# Altium PCB OAI_KPA_Power_Module.PcbDoc (part 1 of 3) (continued)
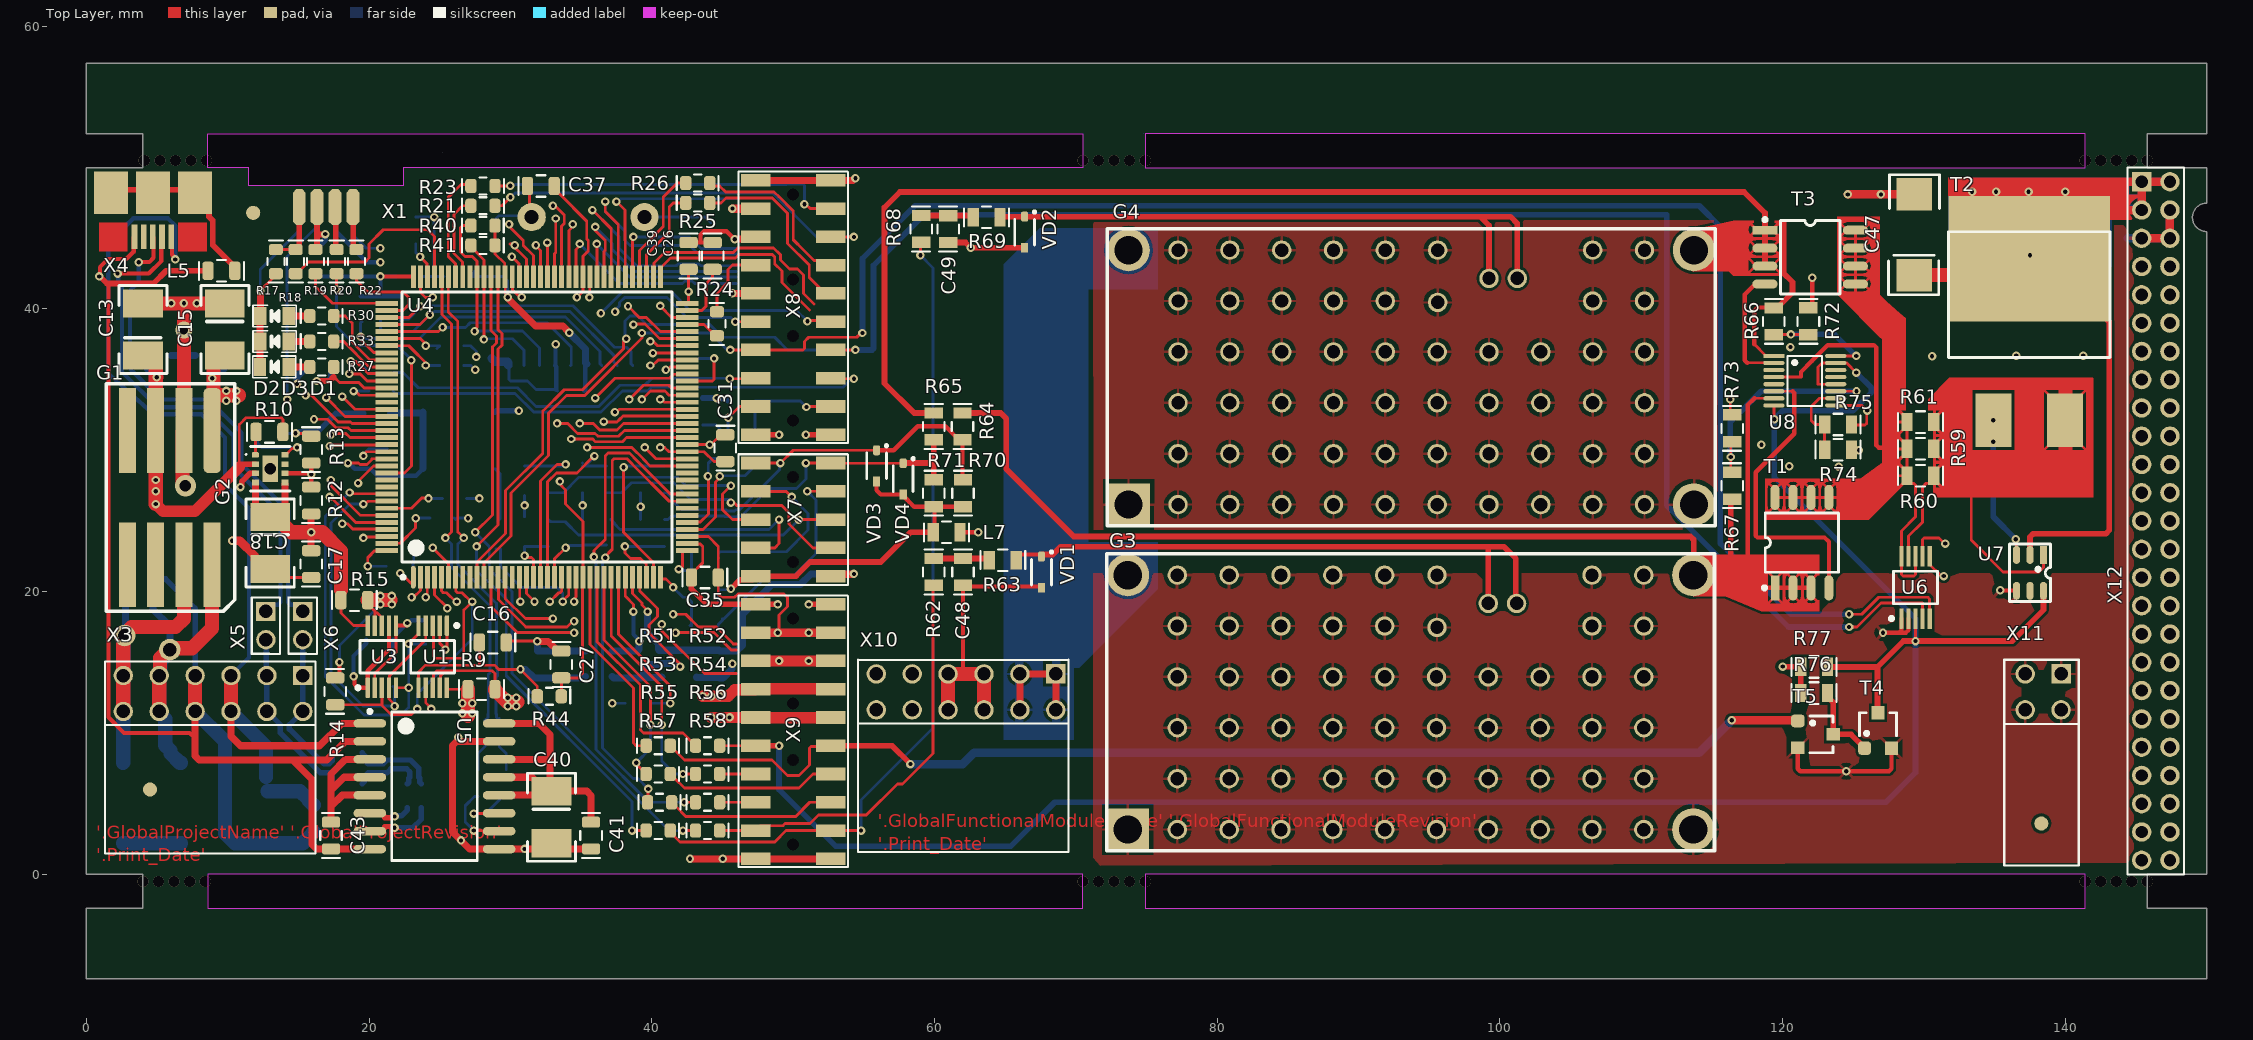
[diagram p0: Top Layer view]
## Components (designator, comment, footprint, x,y, rotation, side; value= is the part's Value field where it differs from the comment) (continued)
R22 "100" SMD_0603#1 19.1,44.2 r270 top value=1к
R23 "1к" SMD_0603#1 28.9,48.7 r180 top
R24 "1к" SMD_0603#1 44.6,38.1 r90 top
R25 "1к" SMD_0603#1 42.4,47.5 r0 top
R26 "1к" SMD_0603#1 42.4,48.9 r0 top
R27 "13к" SMD_0603#1 15.8,35.9 r0 top value=1к
R28 "1к" SMD_0603#1 25,37.4 r0 bottom
R29 "1к" SMD_0603#1 25,36 r0 bottom
R30 "13к" SMD_0603#1 15.8,39.5 r0 top value=1к
R31 "1к" SMD_0603#1 20,35.5 r0 bottom
R32 "1к" SMD_0603#1 20,34.2 r0 bottom
R33 "13к" SMD_0603#1 15.8,37.7 r0 top value=1к
R34 "10к" SMD_0603#2 21.7,13.3 r90 bottom value=1к
R35 "10к" SMD_0603#2 24,16.3 r90 bottom value=1к
R36 "27" SMD_0603#1 29.3,23.3 r90 bottom value=1к
R37 "10к" SMD_0603#1 22.2,39.2 r90 bottom value=1к
R38 "10к" SMD_0603#1 20.8,39.2 r90 bottom value=1к
R39 "10к" SMD_0603#1 19.4,39.2 r90 bottom value=1к
R40 "10к" SMD_0603#1 27.2,45.9 r0 top value=1к
R41 "10к" SMD_0603#1 27.2,44.5 r0 top value=1к
R42 "1к" SMD_0603#1 25.2,26.6 r0 bottom
R43 "10к" SMD_0603#1 24.3,25.2 r0 bottom value=1к
R44 "10к" SMD_0603#1 31.9,12.6 r0 top value=1к
R45 "27" SMD_0805#1 17.6,6.4 r0 bottom value=1к
R46 "27" SMD_0805#1 17.6,8.6 r0 bottom value=1к
R47 "27" SMD_0805#1 27.7,7.4 r270 bottom value=1к
R48 "27" SMD_0805#1 29.7,7.4 r270 bottom value=1к
R49 "1к" SMD_0603#1 47.3,29.415 r90 bottom
R50 "1к" SMD_0603#1 45.3,29.415 r90 bottom
R51 "1к" SMD_0603#1 39.6,9.1 r0 top
R52 "1к" SMD_0603#1 43.096,9.1 r0 top
R53 "1к" SMD_0603#1 39.6,7.1 r0 top
R54 "1к" SMD_0603#1 43.096,7.1 r0 top
R55 "1к" SMD_0603#1 39.7,5.1 r0 top
R56 "1к" SMD_0603#1 43.096,5.1 r0 top
R57 "1к" SMD_0603#1 39.6,3.1 r0 top
R58 "1к" SMD_0603#1 43.096,3.1 r0 top
R59 "0.1" SMD_0805#2 130.7,30.1 r180 top value=1к
R60 "0.1" SMD_0805#2 130.7,28.2 r180 top value=1к
R61 "0.1" SMD_0805#2 130.7,32 r180 top value=1к
R62 "10k" SMD_0805#2 59.944,22.347 r270 top value=1к
R63 "10k" SMD_0805#2 65.781,22.225 r180 top value=1к
R64 "??" SMD_0805#2 61.976,30.739 r90 top value=1к
R65 "??" SMD_0805#2 59.944,30.739 r90 top value=1к
R66 "??" SMD_0805#2 119.375,38.17 r90 top value=1к
R67 "??" SMD_0805#2 116.432,28.448 r270 top value=1к
R68 "10k" SMD_0805#2 59.055,46.609 r270 top value=1к
R69 "10k" SMD_0805#2 64.638,46.482 r180 top value=1к
R70 "10k" SMD_0805#2 62.012,26.011 r90 top value=1к
R71 "10k" SMD_0805#2 59.944,26.011 r90 top value=1к
R72 "10k" SMD_0805#2 121.825,40.075 r270 top value=1к
R73 "10k" SMD_0805#2 116.432,32.507 r270 top value=1к
R74 "NU" SMD_0805#2 122.97,30.05 r0 top value=1к
R75 "NU" SMD_0805#2 124.875,31.825 r180 top value=1к
R76 "10k" SMD_0805#2 123.175,12.827 r180 top value=1к
R77 "10k" SMD_0805#2 123.175,14.675 r180 top value=1к
T1 "FDS3672" "SO-8 Transistor" 119.463,20.27 r90 top
T2 "IRF5210S" D2Pak 134.904,32.131 r0 top
T3 "FDS3672" "SO-8 Transistor" 118.75,45.57 r0 top
T4 "PDTZ143ZT" SOT-23 125.796,8.93 r90 top
T5 "PDTZ143ZT" SOT-23 121.071,10.856 r0 top
U1 "INA261" VSSOP-10 25.5,17.6 r270 top
U2 "ADR390" TSOT-5 40.7,13.955 r0 bottom
U3 "INA261" VSSOP-10 19.9,13.2 r90 top
U4 "STM32F405ZGT7" LQFP144 23.112,20.982 r270 top
U5 "ADuM1402" SOIC-16-WIDE 20.05,10.685 r0 top
U6 "INA226" VSSOP-10 128.4,18.1 r90 top
U7 "MAX5902" SOT23-6 138.452,22.6 r180 top
U8 "LTC4355" MSOP16 119.38,36.679 r0 top
VD1 "PESD3V3" SOD-323 67.564,22.479 r180 top
VD2 "PESD3V3" SOD-323 66.375,46.532 r180 top
VD3 "PESD3V3" SOD-323 55.9,30 r180 top
VD4 "PESD3V3" SOD-323 57.785,29.083 r180 top
X1 "EDGE_CONN 2x4" EDGE_CON-8 11.5,50 r0 top
X2 "SD-card" "SD-card holder" 36.43,46.5 r0 bottom
X3 "Header 2X6" "PLD2-12R 2.54" 15.31,14.065 r270 top
X4 "mico-BF" "USB Micro-BF smd" 4.7,45.1 r180 top
X5 "Header 2X1" PLD2-2 12.7,18.6 r270 top
X6 "Header 2X1" PLD2-2 15.3,18.6 r270 top
X7 "Header 2X10" PBD2-10s 52.649,29.1 r0 top
X8 "Header 2X10" PBD2-20S 52.65,49.1 r0 top
X9 "Header 2X10" PBD2-20S 52.65,19.1 r0 top
X10 "Header 2X6" "PLD2-12R 2.54" 68.58,14.18 r270 top
X11 "Header 2X4" "PLD2-4 R 2.54" 139.7,14.18 r270 top
X12 "Header 2X25" PLD2-50 145.4,49 r0 top

## Footprints (in the part's own frame and the unit in brackets; to place one, negate y for a bottom-side part, rotate by r counter-clockwise, add the part's x,y. Pads: shape width x height; smd on the part's side, far side on the other; paste and mask are expansions set on the pad)
ACM2012 [mm]
  rrect50% 0.9x0.6 smd: 1(0,0)
  rect 0.9x0.6 smd: 2(1.7,0) 3(1.7,-1) 4(0,-1)
  body extent -0.2,-1.1 1.8,0.1, height 1.29
D2Pak [mm]
  rect 2.54x3.81 smd: 1(0,0) 3(5.08,0)
  rect 11.43x8.89 smd: 2(2.54,11.43)
  silkscreen extent -3.17,4.44 8.25,13.33, body extent -2.67,-0.09 7.73,15.58, height 4.5
EDGE_CON-8 [mil]
  oct 36x100 smd: A1(140,-110) A2(190,-110) A3(240,-110) A4(290,-110)
  oct 36x100 smd far side: B1(140,-110) B2(190,-110) B3(240,-110) B4(290,-110)
LED-0805 [mil]
  rect 35x50 smd: 1(0,0) 2(80,0)
  silkscreen extent -20,-30 100,30, body extent 1,-25 80,25, height 43
"LM2596 MODULE" [mm]
  round 3 / inner round 1.524 / far side round 1.524 hole 2: 1(0,0) 3(40,-18) 4(40,0)
  rect 3x3 / inner rect 1.524x1.524 / far side rect 1.524x1.524 hole 2: 2(0,-18)
  round 1.372 hole 0.95: 2(3.5,-18) 2(3.5,-14.4) 2(3.5,-10.8) 2(3.5,-7.2) 2(3.5,-3.6) 2(3.5,0) 2(7.167,-18) 2(7.167,-14.4) 2(7.167,-10.8) 2(7.167,-7.2) 2(7.167,-3.6) 2(7.167,0) 2(10.833,-18) 2(10.833,-14.4) 2(10.833,-10.8) 2(10.833,-7.2) 2(10.833,-3.6) 2(10.833,0) 2(14.5,-18) 2(14.5,-14.4) 2(14.5,-10.8) 2(14.5,-7.2) 2(14.5,-3.6) 2(14.5,0) 2(18.167,-18) 2(18.167,-14.4) 2(18.167,-10.8) 2(18.167,-7.2) 2(18.167,-3.6) 2(18.167,0) 2(21.833,-18) 2(21.833,-14.4) 2(21.833,-10.8) 2(21.833,-7.2) 2(21.867,-3.7) 2(21.867,0) 2(25.5,-18) 2(25.5,-14.4) 2(25.5,-10.8) 2(25.5,-7.2) 2(29.167,-18) 2(29.167,-14.4) 2(29.167,-10.8) 2(29.167,-7.2) 2(32.833,-18) 2(32.833,-14.4) 2(32.833,-10.8) 2(32.833,-7.2) 2(32.833,-3.6) 2(32.833,0) 2(36.5,-18) 2(36.5,-14.4) 2(36.5,-10.8) 2(36.5,-7.2) 2(36.5,-3.6) 2(36.5,0)
  round 1.372 / inner round 1.524 / far side round 1.524 hole 0.95: 5(25.5,-2) 5(27.5,-2)
  Top Layer pour cut-out: 30.5,2.8
  Bottom Layer pour cut-out: 26.7,4.8
  silkscreen extent -1.5,-19.5 41.5,1.5, body extent -1.75,-19.6 41.75,1.4, height 13.21
LQFP144 [mm] "Thin QFP, 144-Leads, Body 20x20mm, Pitch 0.5mm, ST Recommended"
  oval 1.6x0.35 smd: 1(-0.043,0.013)
  rect 1.6x0.35 smd: 2(-0.043,0.513) 3(-0.043,1.013) 4(-0.043,1.513) 5(-0.043,2.013) 6(-0.043,2.513) 7(-0.043,3.013) 8(-0.043,3.513) 9(-0.043,4.013) 10(-0.043,4.513) 11(-0.043,5.013) 12(-0.043,5.513) 13(-0.043,6.013) 14(-0.043,6.513) 15(-0.043,7.013) 16(-0.043,7.513) 17(-0.043,8.013) 18(-0.043,8.513) 19(-0.043,9.013) 20(-0.043,9.513) 21(-0.043,10.013) 22(-0.043,10.513) 23(-0.043,11.013) 24(-0.043,11.513) 25(-0.043,12.013) 26(-0.043,12.513) 27(-0.043,13.013) 28(-0.043,13.513) 29(-0.043,14.013) 30(-0.043,14.513) 31(-0.043,15.013) 32(-0.043,15.513) 33(-0.043,16.013) 34(-0.043,16.513) 35(-0.043,17.013) 36(-0.043,17.513) 73(-21.293,17.513) 74(-21.293,17.013) 75(-21.293,16.513) 76(-21.293,16.013) 77(-21.293,15.513) 78(-21.293,15.013) 79(-21.293,14.513) 80(-21.293,14.013) 81(-21.293,13.513) 82(-21.293,13.013) 83(-21.293,12.513) 84(-21.293,12.013) 85(-21.293,11.513) 86(-21.293,11.013) 87(-21.293,10.513) 88(-21.293,10.013) 89(-21.293,9.513) 90(-21.293,9.013) 91(-21.293,8.513) 92(-21.293,8.013) 93(-21.293,7.513) 94(-21.293,7.013) 95(-21.293,6.513) 96(-21.293,6.013) 97(-21.293,5.513) 98(-21.293,5.013) 99(-21.293,4.513) 100(-21.293,4.013) 101(-21.293,3.513) 102(-21.293,3.013) 103(-21.293,2.513) 104(-21.293,2.013) 105(-21.293,1.513) 106(-21.293,1.013) 107(-21.293,0.513) 108(-21.293,0.013)
  rect 0.35x1.6 smd: 37(-1.918,19.388) 38(-2.418,19.388) 39(-2.918,19.388) 40(-3.418,19.388) 41(-3.918,19.388) 42(-4.418,19.388) 43(-4.918,19.388) 44(-5.418,19.388) 45(-5.918,19.388) 46(-6.418,19.388) 47(-6.918,19.388) 48(-7.418,19.388) 49(-7.918,19.388) 50(-8.418,19.388) 51(-8.918,19.388) 52(-9.418,19.388) 53(-9.918,19.388) 54(-10.418,19.388) 55(-10.918,19.388) 56(-11.418,19.388) 57(-11.918,19.388) 58(-12.418,19.388) 59(-12.918,19.388) 60(-13.418,19.388) 61(-13.918,19.388) 62(-14.418,19.388) 63(-14.918,19.388) 64(-15.418,19.388) 65(-15.918,19.388) 66(-16.418,19.388) 67(-16.918,19.388) 68(-17.418,19.388) 69(-17.918,19.388) 70(-18.418,19.388) 71(-18.918,19.388) 72(-19.418,19.388) 109(-19.418,-1.862) 110(-18.918,-1.862) 111(-18.418,-1.862) 112(-17.918,-1.862) 113(-17.418,-1.862) 114(-16.918,-1.862) 115(-16.418,-1.862) 116(-15.918,-1.862) 117(-15.418,-1.862) 118(-14.918,-1.862) 119(-14.418,-1.862) 120(-13.918,-1.862) 121(-13.418,-1.862) 122(-12.918,-1.862) 123(-12.418,-1.862) 124(-11.918,-1.862) 125(-11.418,-1.862) 126(-10.918,-1.862) 127(-10.418,-1.862) 128(-9.918,-1.862) 129(-9.418,-1.862) 130(-8.918,-1.862) 131(-8.418,-1.862) 132(-7.918,-1.862) 133(-7.418,-1.862) 134(-6.918,-1.862) 135(-6.418,-1.862) 136(-5.918,-1.862) 137(-5.418,-1.862) 138(-4.918,-1.862) 139(-4.418,-1.862) 140(-3.918,-1.862) 141(-3.418,-1.862) 142(-2.918,-1.862) 143(-2.418,-1.862) 144(-1.918,-1.862)
  silkscreen extent -20.22,-0.84 0.08,18.31, body extent -21.67,-2.24 0.33,19.76, height 2
MSOP16 [mm]
  rect 1.5x0.3 smd: 1(0,0)
  oval 1.5x0.3 smd: 2(0,-0.5) 3(0,-1) 4(0,-1.5) 5(0,-2) 6(0,-2.5) 7(0,-3) 8(0,-3.5) 9(4.375,-3.5) 10(4.375,-3) 11(4.375,-2.5) 12(4.375,-2) 13(4.375,-1.5) 14(4.375,-1) 15(4.375,-0.5) 16(4.375,0)
  silkscreen extent 0.98,-3.55 3.4,0, body extent -0.3,-3.76 4.6,0.28, height 0.86
PBD2-10s [mm]
  round 0 hole 0.85: 0(-2.65,-7) 0(-2.65,-1)
  rect 2.1x0.89 smd: 1(0,0) 2(-5.3,0) 3(0,-2) 4(-5.3,-2) 5(0,-4) 6(-5.3,-4) 7(0,-6) 8(-5.3,-6) 9(0,-8) 10(-5.3,-8)
  silkscreen extent -6.52,-8.62 1.22,0.63, body extent -5.9,-8.95 0.6,0.95, height 4.2
PBD2-20S [mm]
  round 0 hole 0.85: 0(-2.65,-17) 0(-2.65,-11) 0(-2.65,-7) 0(-2.65,-1)
  rect 2.1x0.89 smd: 1(0,0) 2(-5.3,0) 3(0,-2) 4(-5.3,-2) 5(0,-4) 6(-5.3,-4) 7(0,-6) 8(-5.3,-6) 9(0,-8) 10(-5.3,-8) 11(0,-10) 12(-5.3,-10) 13(0,-12) 14(-5.3,-12) 15(0,-14) 16(-5.3,-14) 17(0,-16) 18(-5.3,-16) 19(0,-18) 20(-5.3,-18)
  silkscreen extent -6.53,-18.57 1.22,0.63, body extent -5.9,-18.95 0.6,0.95, height 4.2
PLD2-2 [mil]
  rect 54x54 hole 37.4: 1(0,0)
  round 54 hole 37.4: 2(78.74,0)
  silkscreen extent -39,-40 118,39, body extent -51,-40 130,39, height 217
"PLD2-4 R 2.54" [mil]
  rect 54x54 hole 37.4: 1(0,0)
  round 54 hole 37.4: 2(100,0) 3(0,-100) 4(100,-100)
  silkscreen extent -39,-158 534,49, body extent -15,-149 502,51, height 200
"PLD2-12R 2.54" [mil]
  rect 54x54 hole 37.4: 1(0,0)
  round 54 hole 37.4: 2(100,0) 3(0,-100) 4(100,-100) 5(0,-200) 6(100,-200) 7(0,-300) 8(100,-300) 9(0,-400) 10(100,-400) 11(0,-500) 12(100,-500)
  silkscreen extent -39,-551 496,35, body extent -13,-550 504,50, height 200
PLD2-50 [mil]
  rect 54x54 hole 34: 1(0,0)
  round 54 hole 34: 2(78.74,0) 3(0,-78.74) 4(78.74,-78.74) 5(0,-157.48) 6(78.74,-157.48) 7(0,-236.22) 8(78.74,-236.22) 9(0,-314.96) 10(78.74,-314.96) 11(0,-393.7) 12(78.74,-393.7) 13(0,-472.44) 14(78.74,-472.44) 15(0,-551.18) 16(78.74,-551.18) 17(0,-629.92) 18(78.74,-629.92) 19(0,-708.66) 20(78.74,-708.66) 21(0,-787.4) 22(78.74,-787.4) 23(0,-866.14) 24(78.74,-866.14) 25(0,-944.88) 26(78.74,-944.88) 27(0,-1023.62) 28(78.74,-1023.62) 29(0,-1102.36) 30(78.74,-1102.36) 31(0,-1181.1) 32(78.74,-1181.1) 33(0,-1259.84) 34(78.74,-1259.84) 35(0,-1338.58) 36(78.74,-1338.58) 37(0,-1417.32) 38(78.74,-1417.32) 39(0,-1496.06) 40(78.74,-1496.06) 41(0,-1574.8) 42(78.74,-1574.8) 43(0,-1653.54) 44(78.74,-1653.54) 45(0,-1732.28) 46(78.74,-1732.28) 47(0,-1811.02) 48(78.74,-1811.02) 49(0,-1889.76) 50(78.74,-1889.76)
  silkscreen extent -39,-1929 118,39, body extent -69,-2071 148,181, height 220
"SD-card holder" [mm] "SD-card"
  rect 0.7x1.6 smd: 1(2.225,10.5) 2(1.125,10.5) 3(0.025,10.5) 4(-1.075,10.5) 5(-2.175,10.5) 6(-3.275,10.5) 7(-4.375,10.5) 8(-5.475,10.5) Gd(-6.575,10.5)
  rect 1.2x2 smd: MP0(-7.75,0.4) MP0(7.75,0.4)
  rect 1.2x1.4 smd: MP0(-7.75,10)
  round 2 hole 1: MP0(-4.93,0) MP0(3.05,0)
  rect 1.6x1.4 smd: MP0(6.85,10)
  silkscreen extent -7.3,-3.6 7.4,10.2, body extent -8,-3.98 8,11.27, height 1.93
SMD_0603#1 [mm]
  rrect50% 0.8x1 smd: 1(0,0) 2(1.7,0)
  silkscreen extent -0.64,-0.6 2.32,0.6, body extent 0.04,-0.42 1.68,0.43, height 0.43
SMD_0603#2 [mm]
  rect 0.8x1 smd: 1(0,0) 2(1.7,0)
  silkscreen extent -0.64,-0.6 2.32,0.6, body extent 0.04,-0.42 1.68,0.43, height 0.43
SMD_0805#1 [mm]
  rrect50% 0.8x1.3 smd: 1(0,0) 2(1.9,0)
  silkscreen extent -0.64,-0.76 2.54,0.76, body extent -0.05,-0.62 1.95,0.63, height 0.43
SMD_0805#2 [mm]
  rect 0.8x1.3 smd: 1(0,0) 2(1.9,0)
  silkscreen extent -0.64,-0.76 2.54,0.76, body extent -0.05,-0.62 1.95,0.63, height 0.43
SMD_7050_Crystal_Oscillator [mm]
  rrect50% 2x2 smd: 1(0,0)
  rect 2x2 smd: 2(5.08,0) 3(5.08,4) 4(0,4)
  silkscreen extent -1.22,-0.72 6.32,4.72, body extent -0.95,-0.5 6.05,4.52, height 1.52
SMD_size_B [mm]
  rect 2x2.8 smd: 1(0,0) 2(3.683,0)
  silkscreen extent -1.27,-1.7 4.95,1.7, body extent 0.1,-1.4 3.6,1.4, height 1.9
SMD_size_C [mm]
  rect 2.3x2.5 smd: 1(0,0) 2(5.7,0)
  silkscreen extent -1.4,-1.8 7.1,1.8, body extent -0.2,-1.6 5.8,1.6, height 2.5
"SO-8 Transistor" [mil]
  oval 70x25 smd: 1(0,-150) 2(0,-50) 2(0,-100) 3(251.97,-150) 3(251.97,-100) 3(251.97,-50) 3(251.97,0)
  rect 70x23.62 smd: 2(0,0)
  silkscreen extent -5,-177 209,34, body extent 4,-173 248,24, height 69
SOD-323 [mm] "SC-76 plastic surface mounted package; 2 leads"
  rrect50% 0.5x0.7 smd: 1(0,0)
  rect 0.5x0.7 smd: 2(0,2.2)
  silkscreen extent -0.76,-0.38 0.7,2, body extent -0.68,-0.2 0.67,2.4, height 1.1
SOIC-16-WIDE [mm] "SOIC, 16-Leads, Body 10.3x7.5mm, Pitch 1.27mm, IPC Medium Density"
  oval 2.3x0.6 smd: 1(0,-0.005) 2(0,-1.275) 3(0,-2.545) 4(0,-3.815) 5(0,-5.085) 6(0,-6.355) 7(0,-7.625) 8(0,-8.895) 9(9.15,-8.895) 10(9.15,-7.625) 11(9.15,-6.355) 12(9.15,-5.085) 13(9.15,-3.815) 14(9.15,-2.545) 15(9.15,-1.275) 16(9.15,-0.005)
  silkscreen extent -0.12,-9.7 7.6,0.97, body extent -0.67,-9.62 9.82,0.73, height 2.65
SOT23-6 [mil]
  rect 20x50 smd: 1(0,0)
  oval 20x50 smd: 2(37.5,0) 3(75,0) 4(75,100) 5(37.5,100) 6(0,100)
  silkscreen extent -20,-30 95,130, body extent -17,2 93,98, height 43
SOT-23 [mm]
  rrect50% 0.95x0.9 smd: 1(0,0)
  rect 0.95x0.9 smd: 2(0,-1.9) 3(2.5,-0.95)
  silkscreen extent 0.87,-2.25 2.5,0.35, body extent 0,-2.45 2.5,0.55, height 1.08
TDN_5_WISM [mm] "DC/DC converter case"
  rect 6x1.2 smd: 1(0,0) 2(0,2) 3(0,4) 4(0,6) 6(9.5,2) 7(9.5,4) 8(9.5,6)
  rrect50% 6x1.2 smd: 5(9.5,0)
  silkscreen extent -3.3,-1.6 12.8,7.5, body extent -2.29,-1.56 11.91,7.54, height 10.13
TSOT-5 [mm]
  rect 0.95x0.6 smd: 1(0,0) 2(0,-0.95) 3(0,-1.9) 4(2.45,-1.9) 5(2.45,0)
  silkscreen extent -0.72,-2.65 3.17,0.97, body extent -0.28,-2.5 2.72,0.6, height 1.1
"USB Micro-BF smd" [mm]
  rect 2.4x3 smd: 0(-2.975,-3.125) 0(0,-3.125) 0(2.975,-3.125)
  rect 0.4x1.75 smd: 1(-1.3,0) 2(-0.65,0) 3(0,0) 4(0.65,0) 5(1.3,0)
  Top Layer region: -2.3,-2
  Top Layer region: -1.8,1 -1.8,-1 -3.8,-1 -3.8,1
  Top Layer region: 3.8,1 3.8,-1 1.8,-1 1.8,1
  body extent -3.93,-4.45 3.87,0.55, height 2.93
USIL-8 [mm] "microSiP 9-pin 3.0x2.8mm"
  rrect50% 0.5x0.4 smd: 1(0,0)
  rect 0.5x0.4 smd: 2(0,-0.65) 3(0,-1.3) 4(0,-1.95) 5(2.1,-1.95) 6(2.1,-1.3) 7(2.1,-0.65) 8(2.1,0)
  rect 1.1x1.9 smd: 9(1.05,-0.975)
  silkscreen extent -0.7,-2.55 2.45,0.6, body extent -0.35,-2.47 2.45,0.53, height 1.53
VSSOP-10 [mm] "Small Outline Package, 10-pin, 3x3mm, 1.1mm height"
  rrect50% 1.45x0.3 smd: 1(0,0)
  rect 1.45x0.3 smd: 2(0,-0.5) 3(0,-1) 4(0,-1.5) 5(0,-2) 6(4.4,-2) 7(4.4,-1.5) 8(4.4,-1) 9(4.4,-0.5) 10(4.4,0)
  silkscreen extent -0.12,-2.55 3.35,0.83, body extent -0.25,-2.55 4.65,0.55, height 1.1

## Part data
C1 C2 C3 C4 C5 C6 C7 C8 C11 C12 C14 C16 C17 C19 C20 C21 C22 C23 C24 C25 C26 C27 C28 C29 C30 C31 C32 C33 C34 C35 C36 C37 C38 C39 C41 C42 C43 C45 C46 C48 C49: library part Capacitor, "Capacitor", Назначение=SMD-конденсатор, Наименование=Конденсатор, Потребление, Вт=0
C9 C10 C13 C15 C18 C40 C44 C47: library part Capacitor_pol, "Polarized capacitor", Назначение="Поляризованный SMD-конденсатор", Наименование="Поляризованный конденсатор", Потребление, Вт=0
G1: library part TDN_5, "DC/DC converter", DataSheet=https://www.tracopower.com/sites/default/files/products/datasheets/tdn5wi_datasheet.pdf, Назначение="DC-DC преобразователь", Наименование="TDN 5-4821WI", Потребление, Вт=0,01
G2: "17-V Input 3-A Step-Down Converter MicroSiP™ Module with Integrated Inductor", ComponentLink1Description="Data sheet", ComponentLink1URL=http://www.ti.com/lit/ds/symlink/tps82130.pdf, DataSheet=https://www.ti.com/lit/ds/symlink/tps82130.pdf?ts=1592813288219&ref_url=https%253A%252F%252Fwww.google.com%252F, Назначение="17-V Input 3-A Step-Down Converter MicroSiP™ Module with Integrated Inductor", Наименование=TPS82130, Потребление, Вт=1,0
G3 G4: "DC/DC converter", DataSheet=https://static.chipdip.ru/lib/641/DOC001641867.pdf, Назначение="DC-DC преобразователь", Наименование="LM2596 module", Потребление, Вт=20
GK1: library part Crystal_Oscillator, "Crystall oscillator, CMOS, 3.3V, SMD7050", ComponentLink1Description=DataSheet, ComponentLink1URL=http://www.lit-phonon.ru/downloads/GK108-P.pdf, Назначение="Кварцевый генератор", Наименование=VCC1-B3B-10M, Потребление, Вт=0,165
L1 L2 L3 L5 L7: library part Inductor, "Inductor", Назначение=SMD-индуктивность, Наименование=Индуктивность, Потребление, Вт=0,010
L4 L6: library part Inductor_coupled, "Coupled inductor", Назначение="Связанная индуктивность", Наименование=PLT10HH1026R0PN, Потребление, Вт=0,1
R1 R2 R3 R4 R5 R6 R7 R8 R9 R10 R11 R12 R13 R14 R15 R16 R17 R18 R19 R20 R21 R22 R23 R24 R25 R26 R27 R28 R29 R30 R31 R32 R33 R34 R35 R36 R37 R38 R39 R40 R41 R42 R43 R44 R45 R46 R47 R48 R49 R50 R51 R52 R53 R54 R55 R56 R57 R58 R59 R60 R61 R62 R63 R64 R65 R66 R67 R68 R69 R70 R71 R72 R73 R74 R75 R76 R77: library part Resistor, "Resistor", Назначение=SMD-резистор, Наименование=Резистор, Потребление, Вт=0,001
T1 T3: "N channel Power MosFET", Назначение="Транзистор верхнего плеча, для \"идеального\" диода", Наименование=FDS3672, Потребление, Вт=0,025
T2: "P channel Power MosFET", Назначение="Транзистор P канальный", Наименование=IRF5210S, Потребление, Вт=0,02
T4 T5: "Digital Transistor", DataSheet=https://static.chipdip.ru/lib/583/DOC001583045.pdf, Потребление, Вт=0,01, назначение=транзистор, наименование=PDTZ143ZT
U1 U3: library part INA226, "High- or Low-Side Measurement, Bidirectional Current and Power Monitor With I2C Interface", ComponentLink1Description="Data sheet", ComponentLink1URL=http://www.ti.com/lit/ds/symlink/ina226.pdf, DataSheet=https://www.ti.com/lit/ds/symlink/ina226.pdf?ts=1592809211957&ref_url=https%253A%252F%252Fwww.google.com%252F, Назначение="High-Side or Low-Side Measurement,", Наименование=INA226, Потребление, Вт=0,001
U2: "Micropower, Low Noise Precision Voltage Reference with Shutdown, 2.5 V Output, 2.8 to 15 V Supply, Industrial, 5-pin SOT23 (UJ-5), Reel", DataSheet=https://www.analog.com/media/en/technical-documentation/data-sheets/ADR390.pdf, Назначение="Источник опорного напряжения", Наименование=ADR390, Потребление, Вт=0,001
U4: library part STM32F405ZGT, "ARM Cortex-M4 32-bit MCU+FPU, 210 DMIPS, 1024 kB Flash, 192 kB Internal RAM, 114 I/Os, 144-pin LQFP, -40 to 105 degC, Tray", ComponentLink1Description=Datasheet, ComponentLink1URL=http://www.st.com/st-web-ui/static/active/en/resource/technical/document/datasheet/DM00037051.pdf, DataSheet=https://www.st.com/content/ccc/resource/technical/document/reference_manual/3d/6d/5a/66/b4/99/40/d4/DM00031020.pdf/files/DM00031020.pdf/jcr:content/translations/en.DM00031020.pdf, HalManual=https://www.st.com/resource/en/user_manual/dm00105879-description-of-stm32f4-hal-and-ll-drivers-stmicroelectronics.pdf, Назначение="ARM Cortex-M4 32-bit MCU+FPU", Наименование=STM32F405ZGT7, Потребление, Вт=0.2
U5: library part ADuM4160, "Quad Channel Digital Isolator, 2.5 KV rms Insulation Rating", DataSheet=https://www.analog.com/media/en/technical-documentation/data-sheets/ADuM4160.pdf, Назначение="цифровой изолятор шины USB", Наименование=ADuM4160, Потребление, Вт=0,025
U6: "High- or Low-Side Measurement, Bidirectional Current and Power Monitor With I2C Interface", ComponentLink1Description="Data sheet", ComponentLink1URL=http://www.ti.com/lit/ds/symlink/ina226.pdf, DataSheet=https://www.ti.com/lit/ds/symlink/ina226.pdf?ts=1592809211957&ref_url=https%253A%252F%252Fwww.google.com%252F, Назначение="High-Side or Low-Side Measurement,", Наименование=INA226, Потребление, Вт=0,001
U7: "Hot-swap controller", Package Information="Latest Revision: ver11.0, Feb-2003", Package Reference=TQFP32, Code - JEDEC=MS-026-ABA, Configures="APEX II, APEX 20K, Mercury, ACEX 1K & FLEX Devices", DataSheet="Latest Revision: ver1.1, Oct-2003", Published=17-Sep-2003, Publisher="Altium Limited", Назначение="Драйвер верхнего плеча, драйвер P транзистора", Наименование=MAX5902, Потребление, Вт=0,01
U8: "Ideal Diode", ComponentLink1Description="Data sheet", ComponentLink1URL=http://www.ti.com/lit/ds/symlink/ina226.pdf, DataSheet=https://www.analog.com/media/en/technical-documentation/data-sheets/4355ff.pdf, Назначение="Идеальный диод", Наименование=LTC4355, Потребление, Вт=0,02
VD1 VD2 VD3 VD4: library part PESDxL1BA, "Low capacitance bidirectional ESD protection diodes", Назначение="ESD защитные диоды", Наименование=PESDxL1BA, Потребление, Вт=0.0
X1: library part "EDGE 2X4", Назначение="Разъем для прошивки МК", Потребление, Вт=0
X2: library part "SD-card holder", "SD-card holder", Назначение="Слот под SD-карту", Наименование=SD-card
X3 X10: library part PLD2-12, "Header, 12-Pin, Dual row", Назначение="Header, 12-Pin, Dual row", Наименование=PLD2-12, Потребление, Вт=0,0
X4: library part MicroUSB, "USB mico-BF", Назначение="Разъем на плату", Наименование=Micro-BF, Потребление, Вт=0
X5 X6: library part PLD2-2, "Header, 2-Pin, Dual row", Назначение="Header, 2-Pin, Dual row", Наименование=PLD2-2, Потребление, Вт=0,0
X7: library part PLD2-10, "Header, 10-Pin, Dual row", Назначение="Header, 10-Pin, Dual row", Наименование=PLD2-10, Потребление, Вт=0,0
X8 X9: library part PLD2-20, "Header, 12-Pin, Dual row", Назначение="Header, 20-Pin, Dual row", Наименование=PLD2-20, Потребление, Вт=0,0
X11: library part PLD2-4, "Header, 4-Pin, Dual row", Назначение="Header, 4-Pin, Dual row", Наименование=PLD2-4, Потребление, Вт=0,0
X12: library part PLD2-50, "Header, 50-Pin, Dual row", Назначение="Header, 20-Pin, Dual row", Наименование=PLD2-50, Потребление, Вт=0,0
D1 D2 D3: Назначение=Светодиод, Наименование=SMD-LED, Потребление, Вт=0,01

## Free pads (board coordinates)
  round 1.524 hole 0.95: 2(2.7,16.9) 3(5.9,15.9)
  round 1 smd far side mask+2: 4(3,30.2) 4(34,3.6) 4(138.3,3.6)
  round 1 smd mask+2: 4(4.5,6) 4(11.8,46.8) 4(138.3,3.6)

## Via types
v1: diameter 0.6, hole 0.3, Top Layer to Bottom Layer, 287 vias
v2: diameter 0.8, hole 0.8, Top Layer to Bottom Layer, 30 vias
v3: diameter 1.1, hole 0.8, Top Layer to Bottom Layer, 1 vias
v4: diameter 1.5, hole 0.8, Top Layer to Bottom Layer, 1 vias
v5: diameter 1.2, hole 0.6, Top Layer to Bottom Layer, 1 vias

## Nets (pads, with @x,y where several pads share a name; then routed paths per layer and width w, separated by ;. In a path a pad name is that pad's centre, name@x,y a point inside that pad or via, vN(x,y) a via of type N, cw(c..) or ccw(c..) an arc to the next point about the centre after c; other vN are vias at no path point)
2V048: C20.2 U2.3 U2.4 U4.32 X7.9 | length 25
  Top Layer w0.2: U4.32@38.625,21.025 38.625,19.875 39.312,19.188 39.312,19.05 39.7,18.662 v1(39.7,18.59)
  Top Layer w0.5: X7.9@52.649,21.1 52.783,21.233 54.281,21.233 v1(54.3,21.252)
  Bottom Layer w0.5: v1(39.7,18.59) 39.7,17.073 40.475,16.298 40.475,15.905 40.525,15.855 U2.4@43.15,15.855 44.745,15.855 C20.2@44.8,15.8 46,15.8 46.4,16.2 46.4,18.4 48.5,20.5 50.5,20.5 51.252,21.252 v1(54.3,21.252)
3.3V: C16.2 C22.2 C23.2 C24.2 C28.2 C29.2 C30.2 C31.2 C32.2 C33.2 C34.2 C35.2 C36.2 C37.2 C38.2 C39.2 GK1.1 GK1.4 L1.1 R14.1 R15.2 R16.2 R27.2 R34.2 R35.2 R37.2 R38.2 R39.2 R40.2 R41.2 R43.2 R44.1 R74.2 R76.2 R77.2 U1.6 U3.2 U3.6 U3.8 U3.9 U4.6 U4.17 U4.30 U4.39 U4.52 U4.62 U4.72 U4.84 U4.95 U4.108 U4.121 U4.131 U4.144 U6.6 X1.B3 X2.4 X8.4 X9.3 X9.4 | length 241.5
  Top Layer w0.2: R27.2@17.5,35.9 17.5,35.2 17.907,34.793 18.641,34.793 ; v1(18.5,29.1) 19.251,29.1 19.351,29 19.848,29 20.2,29.351 20.2,29.4 U4.131@21.25,29.4 ; 18.651,34.793 19.264,34.793 19.657,34.4 U4.121@21.25,34.4 ; R15.2@19.9,19.4 19.9,19.125 20.4,18.625 ; v1(19.9,21.8) 19.9,22.4 20.4,22.9 U4.144@21.25,22.9 ; U3.2@20.4,13.2 20.4,14.2 21.9,15.7 U3.6@21.9,17.6 ; U3.9@20.4,17.6 20.4,18.625 ; U3.8@20.9,17.6 20.9,18.175 20.575,18.5 20.525,18.5 20.4,18.625 ; U1.6@23.5,13.2 23.5,14.3 24,14.8 28.866,14.8 29.166,14.5 v1@30.7,14.5 ; v1(24.5,23.112) 24.5,23.1 25.625,21.975 U4.6@25.625,21.025 ; R40.2@28.9,45.9 28.904,45.896 28.904,43.9 29.6,43.204 29.6,42.3 U4.95@29.625,42.275 29.625,41.107 29.8,40.932 v1(29.8,40.824) ; v1(30.71,14.51) v1@30.7,14.5 ; U4.17@31.125,21.025 31.125,19.875 v1(31.7,19.3) ; R44.1@31.9,12.6 31.9,13.3 v1@30.7,14.5 ; C37.2@33.115,48.489 33.454,48.15 33.457,48.15 35.4,46.207 35.4,44.948 35.5,44.848 35.5,44.099 35.125,43.724 U4.84@35.125,42.275 35.125,41.225 34.724,40.824 v1(34.7,40.824) ; v1(36,33.7) 37.4,35.1 41.249,35.1 41.524,35.375 42.475,35.375 U4.62@42.5,35.4 ; U4.30@37.625,21.025 37.642,21.008 37.642,16.984 41.3,13.326 v1(41.3,12.1) ; U4.39@42.5,23.9 44,23.9 44.7,23.2 44.7,22.4 ; U4.52@42.5,30.4 v1(44.1,30.4) 44.196,30.4 44.896,31.1 C31.2@45.2,31.1 ; U4.72@42.5,40.4 42.525,40.4 42.6,40.475 v1(42.6,41.23) C39.2@42.6,42.8 ; 44.713,22.387 44.7,22.4 ; v1(48.9,17.1) 48.9,17.208 49,17.308 49,18.351 49.6,18.951 49.6,19.6 49.355,19.845 46.094,19.845 45.849,19.6 44.917,19.6 44.7,19.817 C35.2@44.7,21 44.7,22.4 ; U6.6@130.4,22.5 130.4,21.925 131.148,21.177 131.323,21.177 v1(131.4,21.1)
  Top Layer w0.22: 27.8,14.9 C16.2@27.8,16.4
  Top Layer w0.3: R14.1@17.6,13.9 17.9,14.2 v1(17.9,15) ; v1(20.8,42.3) 22.9,42.3 ; U3.6@21.9,17.6 v1@22.7,17.6
  Top Layer w0.4: v1(16.3,34.903) 17.203,34.903 17.5,35.2 ; v1(120,14.7) 121.25,14.7 R77.2@121.275,14.675 R76.2@121.275,12.827
  Top Layer w0.5: v1(29.8,40.824) 29.8,40.797 29.85,40.747 29.85,40.713 31.778,38.785 33.715,38.785 34.083,38.417 34.083,38.383 v1(34.153,38.314)
  Top Layer w0.6: v1(45.7,47.1) X8.4@47.35,47.1 ; X9.4@47.35,17.1 v1(48.9,17.1) v1(51.1,17.1) X9.3@52.65,17.1
  Top Layer w1: R15.2@19.9,19.4 21.5,19.4
  Mid-Layer 1 w0.6: v1(51.1,17.1) 53.001,17.1 53.353,16.749 53.353,9.547 54.054,8.846 116.771,8.846 117.125,9.2
  Bottom Layer w0.2: v1(17.9,15) 17.9,16.2 v1(20.8,19.1) ; v1(19.9,21.8) C36.2@21.2,21.8 ; R43.2@26,25.2 26.1,25.1 26.2,25.2 v1(27,25.2) ; C32.2@27.2,42.3 29.5,42.3 29.8,42 v1(29.8,40.824) ; C30.2@40,12.1 v1(41.3,12.1)
  Bottom Layer w0.3: R16.2@16.193,42.509 16.402,42.3 v1(20.8,42.3) ; X1.B3@17.596,47.206 17.596,45.565 19.861,43.3 v1(20.8,43.3) ; v1(18.5,29.1) 18.581,29.1 18.981,28.7 20.1,28.7 20.6,28.2 C34.2@21.3,28.2 23.32,28.2 GK1.4@23.82,28.7 ; R39.2@19.4,40.9 R38.2@20.8,40.9 ; R34.2@21.7,15 C24.2@21.7,16.6 ; C38.2@21.9,42.3 v1(20.8,42.3) ; C24.2@21.999,17.074 22.725,17.8 22.806,17.8 22.989,17.983 R35.2@23.817,17.983 ; R37.2@22.2,40.9 R38.2@20.8,40.9 ; C32.2@27.2,42.3 27.2,42.354 C32.2@27.446,42.6 ; C28.2@35.222,34.2 35.289,34.266 35.289,35.934 X2.4@35.355,36 ; R38.2@20.8,40.9 v1(20.8,42.3)
  Bottom Layer w0.4: v1(16.3,34.903) 17.066,34.903 17.3,35.138 17.3,35.7 C33.2@17.5,35.9
  Bottom Layer w0.5: C29.2@21.5,32.6 21.55,32.65 23.77,32.65 GK1.1@23.82,32.7 GK1.4@23.82,28.7 ; v1(30.71,14.51) 30.729,14.491 31.064,14.491 31.65,13.905 C22.2@33.6,13.905 35.2,13.905 L1.1@35.3,14.005 ; v1(34.153,38.314) 35.306,37.161 35.306,36.194 X2.4@35.4,36.1
  other v1: 22.7,17.775 21.6,19.1 20.8,19.7 21.6,19.7 125.4,30
3V3: C40.1 C41.2 U5.12 U5.13 U5.14 U5.16 | length 24.5
  Top Layer w0.5: U5.12@29.2,5.6 32.617,5.6 C40.1@32.9,5.883 ; U5.13@29.2,6.87 31.513,6.87 32.5,5.883 C40.1@32.9,5.883 ; U5.14@29.2,8.14 32.46,8.14 32.8,7.8 ; U5.16@29.2,10.68 32.02,10.68 32.8,9.9 32.8,7.8 ; C41.2@35.7,3.7 35.7,5.59 35.407,5.883 C40.1@32.9,5.883 ; 32.8,7.8 32.8,5.983 C40.1@32.9,5.883
3V3A: C21.2 L1.2 U2.1 U2.2 U4.33 | length 14.8
  Top Layer w0.2: U4.33@39.125,21.025 39.15,21 39.15,20.05 40.4,18.8 40.4,18.25 39.8,17.65 39.8,17.068 42,14.868 v1(42,14.701)
  Bottom Layer w0.5: L1.2@37.2,14.005 37.3,13.905 C21.2@39,13.905 C21.2@39.25,13.905 ; C21.2@39.275,13.93 40.675,13.93 U2.1@40.7,13.955 ; C21.2@39.4,14.055 39.4,14.42 39.835,14.855 40.65,14.855 U2.2@40.7,14.905 41.769,14.905 41.973,14.701 v1(42,14.701)
10MHz: GK1.3 R36.2 | length 3.9
  Bottom Layer w0.2: GK1.3@28.9,28.7 29.259,28.341 29.259,25.159 R36.2@29.1,25
+5V: R9.2 U1.8 U1.9 X9.7 X9.8 | length 19.3
  Top Layer w0.2: U1.8@24.5,13.2 24.55,13.25 24.55,14.15 24.8,14.4 25.4,14.4 ; U1.9@25,13.2 25.05,13.25 25.05,14.05 25.4,14.4 ; R9.2@28.9,13.1 28.9,14.2 28.7,14.4 25.4,14.4
  Top Layer w0.8: v1(43.6,12.6) 45.4,12.6 45.855,13.055 47.305,13.055 X9.8@47.35,13.1 47.375,13.125 52.625,13.125 X9.7@52.65,13.1
  Top Layer w1: R9.2@28.9,13.1 28.9,13.05 29.75,12.2 30.5,12.2
  other v1: 29.8,11.9 30.4,11.9 29.8,12.5 30.4,12.5 44.2,12.6 44.8,12.6
-5V: C14.1 C15.2 G1.5 X9.9 X9.10 | length 20.6
  Top Layer w0.8: v1(44.2,11.1) X9.10@47.35,11.1 47.375,11.075 52.625,11.075 X9.9@52.65,11.1
  Top Layer w1: C15.2@9.8,36.7 9.5,36.7 9,36.2 G1.5@9,33.9 ; 10.8,33.9 G1.5@9,33.9 ; G1.5@9,33.9 8.9,33.8 G1.5@8.9,31.4 9,31.5 G1.5@9,33.9
  Bottom Layer w0.6: v1(8.9,35.1) 9.6,35.8 ; 9.7,35.8 C14.1@9.7,36.7
  other v1: 44.8,11.1 45.5,11.1 9.9,33.5 10.6,33.5 9.9,34.2 10.6,34.2
A_GND: C1.1 C2.1 C3.1 C4.1 C5.1 C6.1 C7.1 C8.1 C20.1 C21.1 C45.1 C46.1 L2.2 L7.1 R70.1 R71.1 U2.5 U4.31 VD3.2 VD4.2 X7.10 X8.19 X8.20 | length 48.8
  Top Layer w0.2: U4.31@38.125,21.025 38.125,19.675 38.7,19.1 v1(38.7,18.59)
  Top Layer w0.3: VD3.2@55.9,27.8 55.9,27.174 56.191,26.883 VD4.2@57.785,26.883 ; VD4.2@57.785,26.783 58.557,26.011 R71.1@59.944,26.011 ; L7.1@60,24.2 60,25.955 R71.1@59.944,26.011 ; R70.1@62.012,26.011 R71.1@59.944,26.011
  Top Layer w0.4: v1(45.6,20.2) 46.255,20.855 47.104,20.855 X7.10@47.349,21.1 50.2,21.1 51.2,22.1 56.2,22.1 58.3,24.2 L7.1@59.9,24.2 ; X8.20@47.35,31.1 v1(49,31.1) ; v1(50.9,31.1) X8.19@52.65,31.1
  Bottom Layer w0.2: C5.1@31,25.3 C6.1@31,26.8 ; C8.1@35.1,25.1 v1(35.1,26.1) C7.1@35.1,27 ; C1.1@39.2,25.1 v1(39.2,26) C2.1@39.2,27 ; C3.1@44.7,19.29 44.7,20.14 ; C4.1@44.7,20.99 44.7,20.14 ; v1(45.6,20.2) 45.54,20.14 44.7,20.14
  Bottom Layer w0.3: v1(38.7,18.59) 38.7,16.981 39.1,16.581 v1(39.1,16.5)
  Bottom Layer w0.4: C46.1@43.6,33.7 v1(44.6,33.7) 44.638,33.662 45.238,33.662 C45.1@45.4,33.5
  Bottom Layer w0.5: L2.2@37.2,15.805 C21.1@39,15.805 39.1,15.905 v1(39.1,16.5) ; U2.5@43.15,13.955 43.177,13.928 44.772,13.928 C20.1@44.8,13.9 45.05,13.9 45.681,14.531 45.681,14.881 v1(45.7,14.9)
  other v1: 31,26.1
ADC_IN_1: R1.2 R65.1 R71.2 VD4.1 X7.1 | length 24.2
  Top Layer w0.2: v1(50.9,29.1) X7.1@52.649,29.1 52.666,29.083 VD4.1@57.785,29.083
  Top Layer w0.4: VD4.1@57.785,29.083 57.802,29.1 59.944,29.1 ; R71.2@59.944,27.911 59.944,29.1 ; R65.1@59.944,30.739 59.944,29.1
  Bottom Layer w0.2: R1.2@40.9,25.1 41.15,25.1 41.388,25.338 41.556,25.338 41.567,25.35 45.136,25.35 45.186,25.3 46.014,25.3 46.064,25.35 46.352,25.35 48.302,27.3 50.225,27.3 50.9,27.975 v1(50.9,29.1)
ADC_IN_2: R2.2 R64.1 R70.2 VD3.1 X7.2 | length 29.5
  Top Layer w0.2: X7.2@47.349,29.1 v1(49.1,29.1) 50,30 VD3.1@56,30 ; R64.1@61.726,30.739 R64.1@61.976,30.739
  Top Layer w0.3: VD3.1@56,30 57.111,30 58.811,31.7 60.765,31.7 R64.1@61.726,30.739 ; R64.1@61.976,30.739 61.976,27.947 R70.2@62.012,27.911
  Bottom Layer w0.2: R2.2@40.9,27 41.086,27 41.379,26.708 41.379,26.521 42.1,25.8 45.251,25.8 45.351,25.7 45.848,25.7 45.948,25.8 46.2,25.8 49.023,28.623 49.023,29.023 v1(49.1,29.1) v1@49.1,28.992
ADC_IN_3: R3.2 X7.3 | length 15.5
  Top Layer w0.2: v1(51,27.1) X7.3@52.649,27.1
  Bottom Layer w0.2: R3.2@44.7,17.59 44.7,17.687 44.992,17.98 44.992,18.078 45.091,18.078 48.163,21.15 50.075,21.15 51.614,22.689 51.614,26.486 v1(51,27.1)
ADC_IN_4: R4.2 X7.4 | length 12.5
  Top Layer w0.2: X7.4@47.349,27.1 47.356,27.093 49.507,27.093 v1(49.9,26.7)
  Bottom Layer w0.2: R4.2@44.7,22.7 44.825,22.825 49.527,22.825 51.06,24.358 51.06,25.54 50.008,26.592 v1@49.9,26.592
ADC_IN_5: R5.2 X7.5 | length 20.9
  Top Layer w0.2: v1(50.4,25.1) X7.5@52.649,25.1
  Bottom Layer w0.2: R5.2@32.7,25.1 32.85,24.95 33.874,24.95 34.824,24 36.143,24 49.3,24 v1(50.4,25.1)
ADC_IN_6: R6.2 X7.6 | length 18.3
  Top Layer w0.2: v1(45.6,27.5) 45,26.9 45,26.549 45,26.051 45,25.8 45.7,25.1 X7.6@47.349,25.1
  Bottom Layer w0.2: R6.2@32.6,27 33.743,27 34.843,28.1 41.8,28.1 42.4,27.5 v1(45.6,27.5)
ADC_IN_7: R7.2 X7.7 | length 18.7
  Top Layer w0.2: v1(45.6,26.3) 45.6,26.5 46.017,26.083 46.183,26.083 46.2,26.1 49.196,26.1 49.714,25.582 49.714,24.786 51.4,23.1 X7.7@52.649,23.1
  Bottom Layer w0.2: R7.2@36.8,27 37.843,27 38.543,27.7 40.243,27.7 41.557,27.7 42.734,26.524 v1@45.6,26.524
ADC_IN_8: R8.2 X7.8 | length 16
  Top Layer w0.2: X7.8@47.349,23.1 48.7,23.1 49,23.4 v1(49,25.1)
  Bottom Layer w0.2: R8.2@37.096,25.1 37.35,24.846 37.35,24.8 37.75,24.4 48.3,24.4 v1(49,25.1)
ADC_MC_IN_1: C1.2 R1.1 U4.34 | length 6
  Top Layer w0.2: v1(38.1,23.2) 38.1,22.738 38.491,22.347 39.202,22.347 39.6,21.949 39.6,21.05 U4.34@39.625,21.025
  Bottom Layer w0.2: v1(38.1,23.2) 39.2,23.2 R1.1@40.9,23.2
ADC_MC_IN_2: C2.2 R2.1 U4.35 | length 11.6
  Top Layer w0.2: v1(38,28.8) 38,24.2 40.125,22.075 U4.35@40.125,21.025
  Bottom Layer w0.2: v1(38,28.8) 38.108,28.8 38.208,28.9 R2.1@40.9,28.9
ADC_MC_IN_3: C3.2 R3.1 U4.36 | length 4.8
  Top Layer w0.2: U4.36@40.65,21 U4.36@40.625,21.025 40.625,20.975 40.7,20.9 41,20.9 41.5,20.4 v1(41.5,20.3) v1@41.5,20.2
  Bottom Layer w0.2: v1(41.5,20.3) 42.2,19.6 42.508,19.6 42.8,19.308 C3.2@42.8,19.29 R3.1@42.8,17.59
ADC_MC_IN_4: C4.2 R4.1 U4.37 | length 5
  Top Layer w0.2: v1(41.9,21.6) 41.9,21.44 42.1,21.64 42.1,21.657 42.177,21.734 42.177,22.825 42.252,22.9 U4.37@42.5,22.9
  Bottom Layer w0.2: v1(41.9,21.6) 41.9,21.497 42.38,21.497 42.4,21.478 42.508,21.478 42.8,21.185 C4.2@42.8,21.077 ; C4.2@42.8,20.99 C4.2@42.8,21.077 ; R4.1@42.8,22.7 C4.2@42.8,21.077
ADC_MC_IN_5: C5.2 R5.1 U4.18 | length 4.3
  Top Layer w0.2: v1(31,22.541) 31.117,22.424 31.477,22.423 31.625,22.275 U4.18@31.625,21.025
  Bottom Layer w0.2: v1(31,22.541) 31,23.2 R5.1@32.7,23.2
ADC_MC_IN_6: C6.2 R6.1 U4.19 | length 12
  Top Layer w0.2: U4.19@32.125,21.025 32.125,27.839 33.286,29 v1(33.9,29)
  Bottom Layer w0.2: C6.2@31,28.9 R6.1@32.6,28.9 33.8,28.9 v1(33.9,29)
ADC_MC_IN_7: C7.2 R7.1 U4.20 | length 13.5
  Top Layer w0.2: U4.20@32.625,21.025 32.625,27.774 33.251,28.4 34.698,28.4 35.888,29.591 v1@35.941,29.591
  Bottom Layer w0.2: C7.2@35.1,28.9 C7.2@35.296,28.9 ; v1(35.941,29.591) 35.941,29.541 35.3,28.9 C7.2@35.296,28.9 ; R7.1@36.8,28.9 C7.2@35.296,28.9
ADC_MC_IN_8: C8.2 R8.1 U4.21 | length 5.4
  Top Layer w0.2: U4.21@33.125,21.025 33.125,22.325 v1(33.9,23.1)
  Bottom Layer w0.2: v1(33.9,23.1) 34.008,23.1 34.185,23.277 35.077,23.277 C8.2@35.1,23.3 R8.1@36.8,23.3